# KiCad board Marble.kicad_pcb (continued)
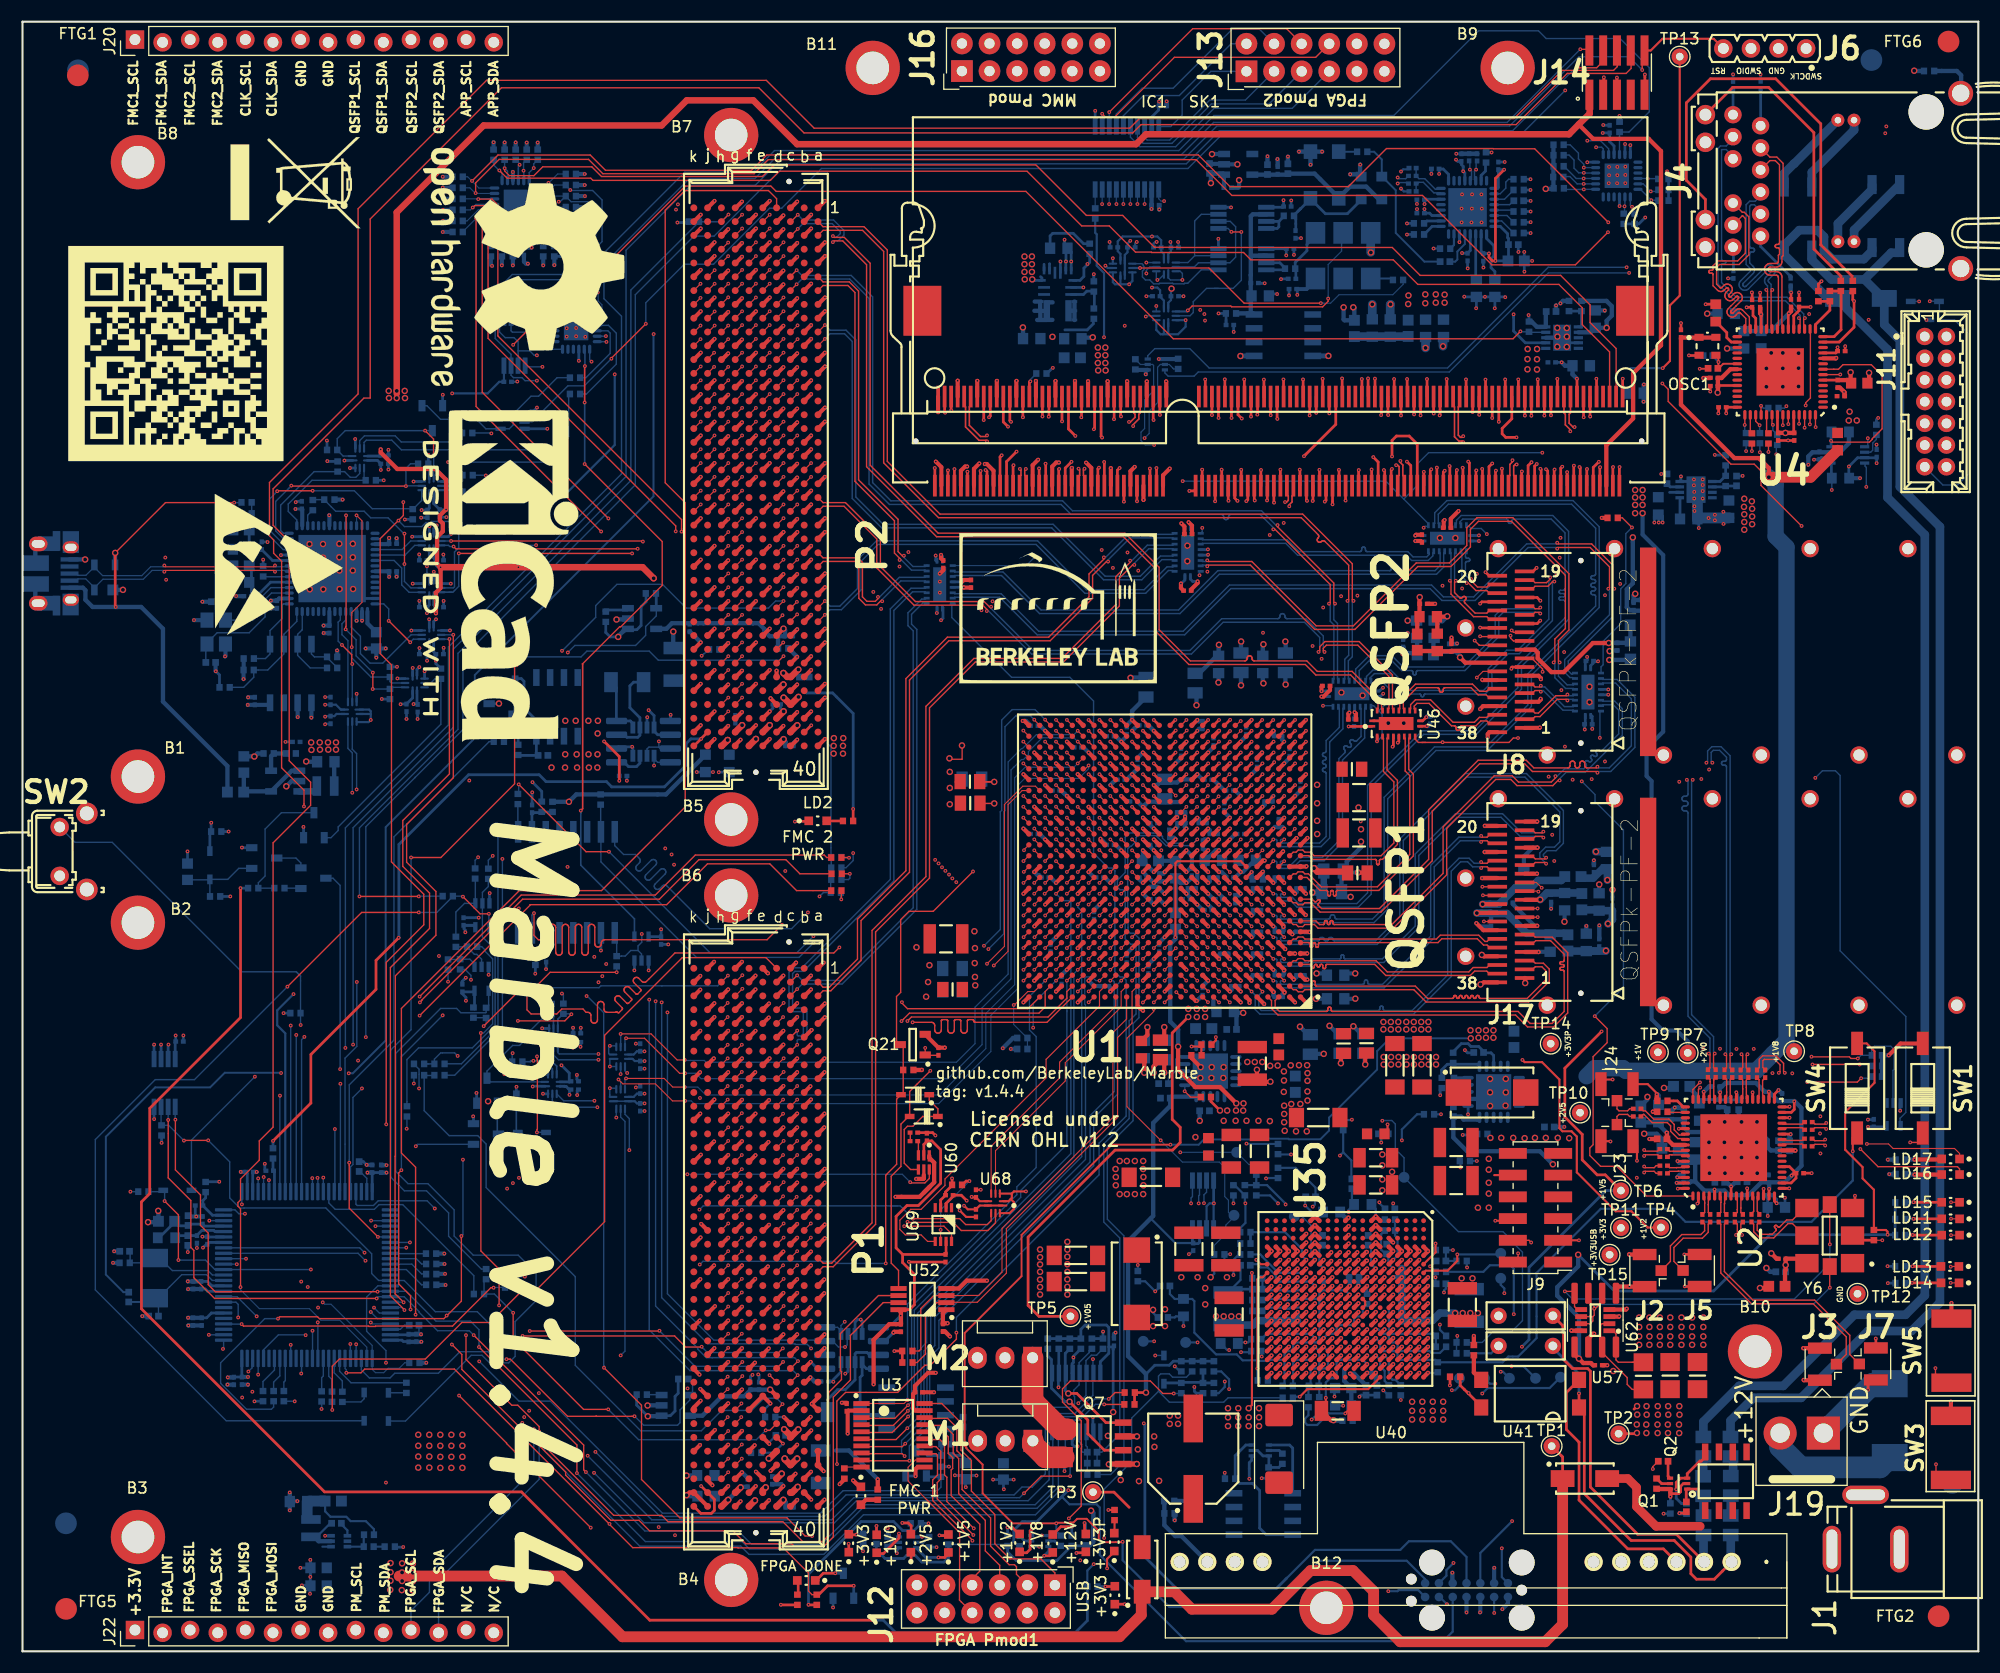
[diagram p0: board, top side]
## Routing (per net, layer and track width the routed paths; a pad name or vN(x,y) marks a point on that pad's centre or on a via; arc(x,y) is an arc through that point) (continued)
/QSFP1/QSFP_VccRx: length 5.5
  Top w0.4: v2(139.68,69.19) 139.66,69.17 138.27,69.17
  Bottom w0.7: L30.2 143.47,69.8 140.29,69.8 v2(139.68,69.19)
/QSFP1/QSFP_VccTx: length 9.9
  Top w0.4: v2(134.38,68.77) 134.39,68.77 135.76,68.77
  Bottom w0.7: 141.86,71.2 141.62,70.95 139.5,70.95 138.87,70.32 C408.1 137.43,70.32 135.88,68.77 v2(134.38,68.77)
/QSFP2/QSFP_RX_1_N: length 28.6
  Top w0.13: J8.18 138.97,98.6 139.21,98.37 140.26,98.37 140.6,98.7 v1(140.6,98.85)
  Bottom w0.13: v1(140.6,98.85) 140.6,98.61 140.47,98.49 140.47,95.01 137.62,92.15 136.61,92.15 134.91,90.46 134.91,88.88 134.47,88.45 127.8,88.45 125.92,90.33 124.29,90.33 123.69,89.73 123.69,89.5 123.61,89.41 123.61,89.24
/QSFP2/QSFP_RX_1_P: length 28.9
  Top w0.13: v1(140.98,98.47) 140.83,98.47 140.4,98.04 139.21,98.04 138.97,97.8 J8.17
  Bottom w0.13: v1(140.98,98.47) 140.83,98.47 140.8,98.44 140.8,94.87 137.76,91.82 136.74,91.82 135.24,90.32 135.24,88.75 134.61,88.12 129.09,88.12 129.07,88.11 129.04,88.1 129.02,88.09 129,88.07 128.98,88.05 128.97,88.02 128.97,87.96 128.96,87.94 128.94,87.91 128.92,87.89 128.9,87.88 128.87,87.87 128.84,87.87 128.83,87.87 128.81,87.87 128.78,87.88 128.76,87.89 128.74,87.91 128.72,87.94 128.71,87.96 128.71,88.02 128.7,88.05 128.68,88.07 128.66,88.09 128.64,88.1 128.61,88.11 128.58,88.12 127.67,88.12 125.79,90 124.42,90 124.03,89.6 124.03,89.5 124.11,89.41 124.11,89.24
/QSFP2/QSFP_RX_2_N: length 6.4
  Top w0.13: J8.21 135.01,98.2 134.78,97.97 133.9,97.97 133.31,98.56 v1(133.31,98.71)
  Bottom w0.13: v1(133.31,98.71) 133.16,98.71 132.8,99.07 132.8,100.17 132.81,100.2 132.82,100.23 132.84,100.26 132.86,100.28 132.89,100.3 132.92,100.31 132.95,100.32 133.06,100.32 133.09,100.32 133.12,100.33 133.15,100.35 133.17,100.37 133.19,100.4 133.2,100.43 133.21,100.47 133.2,100.5 133.19,100.53 133.17,100.56 133.15,100.58 133.12,100.6 133.09,100.61 133.06,100.62 132.95,100.62 132.92,100.62 132.89,100.63 132.86,100.65 132.84,100.67 132.82,100.7 132.81,100.73 132.8,100.77 132.8,101.1 132.89,101.18 132.89,101.35
/QSFP2/QSFP_RX_2_P: length 6.4
  Top w0.13: v1(132.92,98.32) 133.08,98.32 133.77,97.64 134.78,97.64 135.01,97.4 J8.22
  Bottom w0.13: 132.39,101.35 132.39,101.18 132.47,101.1 132.47,98.93 132.92,98.48 v1(132.92,98.32)
/QSFP2/QSFP_RX_3_N: length 24.1
  Top w0.13: v1(139.69,96.08) 139.58,95.97 139.21,95.97 138.97,96.2 J8.15
  Bottom w0.13: v1(139.69,96.08) 139.58,95.97 136.15,95.97 135.54,95.36 135.54,93.53 132.62,90.6 127.07,90.6 126.02,91.65 123.93,91.65 122.69,90.41 122.69,89.5 122.61,89.41 122.61,89.24
/QSFP2/QSFP_RX_3_P: length 24.1
  Top w0.13: v1(139.69,95.53) 139.58,95.64 139.21,95.64 138.97,95.4 J8.14
  Bottom w0.13: 123.11,89.24 123.11,89.41 123.03,89.5 123.03,90.27 124.07,91.32 125.89,91.32 126.93,90.27 127.82,90.27 127.86,90.27 127.89,90.26 127.92,90.24 127.94,90.22 127.96,90.19 127.97,90.16 127.97,90.12 127.97,90.02 127.98,89.99 127.99,89.96 128.01,89.93 128.03,89.9 128.06,89.89 128.09,89.88 128.12,89.87 128.16,89.88 128.19,89.89 128.22,89.9 128.24,89.93 128.26,89.96 128.27,89.99 128.27,90.02 128.27,90.12 128.28,90.16 128.29,90.19 128.31,90.22 128.33,90.24 128.36,90.26 128.39,90.27 128.42,90.27 132.76,90.27 135.87,93.39 135.87,95.22 136.29,95.64 139.58,95.64 v1(139.69,95.53)
/QSFP2/QSFP_RX_4_N: length 9.4
  Top w0.13: v1(131.91,98.54) 131.8,98.43 131.8,97.45 132.26,97 132.29,96.97 132.32,96.95 132.36,96.95 132.4,96.95 132.44,96.95 132.47,96.97 132.5,97 132.56,97.05 132.59,97.07 132.62,97.09 132.66,97.1 132.7,97.1 132.74,97.09 132.77,97.07 132.81,97.05 132.83,97.02 132.85,96.98 132.86,96.94 132.86,96.9 132.85,96.87 132.83,96.83 132.81,96.8 132.75,96.75 132.73,96.72 132.71,96.68 132.7,96.64 132.7,96.6 132.71,96.57 132.73,96.53 132.75,96.5 133.69,95.57 134.78,95.57 135.01,95.8 J8.24
  Bottom w0.13: 131.89,101.35 131.89,101.18 131.8,101.1 131.8,98.65 v1(131.91,98.54)
/QSFP2/QSFP_RX_4_P: length 9.4
  Top w0.13: v1(131.36,98.54) 131.47,98.43 131.47,97.31 133.55,95.24 134.78,95.24 135.01,95 J8.25
  Bottom w0.13: 131.39,101.35 131.39,101.18 131.47,101.1 131.47,98.65 v1(131.36,98.54)
/QSFP2/QSFP_TX_1_N: length 10
  Top w0.13: 128.17,86.5 128.17,86.67 128.09,86.76 128.09,87 128.34,87.26 129.45,87.26 131.52,85.19 131.77,85.19 131.81,85.18 131.85,85.17 131.88,85.15 131.91,85.12 131.93,85.09 131.94,85.05 131.94,85.01 131.94,84.94 131.95,84.9 131.96,84.86 131.98,84.83 132.01,84.8 132.04,84.78 132.08,84.76 132.12,84.76 132.16,84.76 132.2,84.78 132.23,84.8 132.26,84.83 132.28,84.86 132.29,84.9 132.29,84.94 132.29,85.01 132.3,85.05 132.31,85.09 132.33,85.12 132.36,85.15 132.39,85.17 132.43,85.18 132.47,85.19 133.77,85.19 134.22,85.64 134.78,85.64 135.01,85.4 J8.37
/QSFP2/QSFP_TX_1_P: length 10
  Top w0.13: 127.67,86.5 127.67,86.67 127.75,86.76 127.75,87.14 128.2,87.59 129.59,87.59 131.66,85.52 133.63,85.52 134.08,85.97 134.78,85.97 135.01,86.2 J8.36
/QSFP2/QSFP_TX_2_N: length 5.6
  Top w0.13: v1(142.19,87.52) 142.08,87.63 141.25,87.63 139.66,86.04 139.21,86.04 138.97,85.8 J8.2
  Bottom w0.13: 142.98,87.54 142.81,87.54 142.73,87.63 142.3,87.63 v1(142.19,87.52)
/QSFP2/QSFP_TX_2_P: length 5.6
  Top w0.13: J8.3 138.97,86.6 139.21,86.37 139.52,86.37 141.11,87.96 142.08,87.96 v1(142.19,88.07)
  Bottom w0.13: v1(142.19,88.07) 142.3,87.96 142.73,87.96 142.81,88.04 142.98,88.04
/QSFP2/QSFP_TX_3_N: length 11.1
  Top w0.13: 127.17,86.5 127.17,86.67 127.09,86.76 127.09,87.44 128.34,88.7 130.23,88.7 130.27,88.69 130.31,88.68 130.34,88.66 130.37,88.63 130.39,88.6 130.4,88.56 130.41,88.52 130.41,88.45 130.41,88.41 130.42,88.37 130.44,88.34 130.47,88.31 130.5,88.29 130.54,88.27 130.58,88.27 130.62,88.27 130.66,88.29 130.69,88.31 130.72,88.34 130.74,88.37 130.75,88.41 130.76,88.45 130.76,88.52 130.76,88.56 130.77,88.6 130.79,88.63 130.82,88.66 130.85,88.68 130.89,88.69 130.93,88.7 133.31,88.7 133.97,88.04 134.71,88.04 134.95,87.8 J8.34
/QSFP2/QSFP_TX_3_P: length 11.1
  Top w0.13: 126.67,86.5 126.67,86.67 126.75,86.76 126.75,87.58 128.2,89.03 133.45,89.03 134.11,88.37 134.74,88.37 134.97,88.6 J8.33
/QSFP2/QSFP_TX_4_N: length 5.7
  Top w0.13: J8.5 138.97,88.2 139.21,88.44 139.63,88.44 v1(139.74,88.33)
  Bottom w0.13: 142.98,86.54 142.81,86.54 142.73,86.63 141.78,86.63 139.97,88.44 139.85,88.44 v1(139.74,88.33)
/QSFP2/QSFP_TX_4_P: length 5.7
  Top w0.13: v1(139.74,88.88) 139.63,88.77 139.21,88.77 138.97,89 J8.6
  Bottom w0.13: 142.98,87.04 142.81,87.04 142.73,86.96 141.91,86.96 140.1,88.77 139.85,88.77 v1(139.74,88.88)
/QSFP2/QSFP_Vcc: length 7.8
  Top w0.4: v2(132.31,91.48) 132.79,91 J8.30
  Bottom w0.4: v2(132.31,91.48) 132.31,91.62 131.9,92.03 C301.1 130,92.03 129.86,91.89 129.86,93.21 129.86,93.22
/QSFP2/QSFP_VccRx: length 13.5
  Top w0.4: v2(145.99,92.81) 144.53,92.81 141.85,90.14 140.71,90.14 139.45,91.4 139.45,91.93 139.18,92.2 J8.10
  Bottom w0.4: v2(145.99,92.81) 146.01,92.83 C299.1 147.74,92.83 147.99,93.08 147.99,94.45 L1.2
/QSFP2/QSFP_VccTx: length 7.6
  Top w0.4: L2.2 128.44,92.07 C303.1 130.24,92.05 C300.1 131.55,92.08 133.85,92.08 134.13,91.8 ; 134.13,91.8 134.1,91.83 ; 134.13,91.8 J8.29
/SDRAM/DDR3_CAS_N: length 39
  Top w0.254: SK1.115 120.57,105.58 v1(120.57,105.58) ; 110.65,85.24 v1(111.15,85.74)
  In7.Cu w0.135: v1(111.15,85.74) 111.15,87.16 112.62,88.63 112.62,90.6 112.61,90.67 112.59,90.73 112.55,90.79 112.5,90.84 112.45,90.87 112.38,90.9 112.32,90.9 112.07,90.9 112,90.91 111.94,90.93 111.88,90.97 111.83,91.02 111.8,91.07 111.78,91.14 111.77,91.2 111.78,91.27 111.8,91.33 111.83,91.39 111.88,91.44 111.94,91.47 112,91.5 112.07,91.5 112.32,91.5 112.38,91.51 112.45,91.53 112.5,91.57 112.55,91.62 112.59,91.67 112.61,91.74 112.62,91.8 112.62,91.81 112.62,92.71 112.62,92.72 112.63,92.73 112.63,92.74 112.64,92.75 112.65,92.76 112.66,92.76 112.68,92.76 112.69,92.77 112.7,92.77 112.71,92.78 112.72,92.79 112.72,92.8 112.72,92.81 112.72,93.31 112.72,93.32 112.72,93.33 112.71,93.34 112.7,93.35 112.69,93.36 112.68,93.36 112.67,93.36 112.42,93.36 112.38,93.37 112.34,93.38 112.3,93.41 112.27,93.44 112.24,93.47 112.23,93.52 112.22,93.56 112.22,93.76 112.23,93.81 112.24,93.85 112.27,93.89 112.3,93.92 112.34,93.94 112.38,93.96 112.42,93.96 112.67,93.96 112.68,93.96 112.69,93.97 112.7,93.97 112.71,93.98 112.72,93.99 112.72,94 112.72,94.01 112.72,94.51 112.72,94.52 112.72,94.53 112.71,94.54 112.7,94.55 112.69,94.56 112.68,94.56 112.67,94.56 112.07,94.56 112.01,94.57 111.94,94.59 111.89,94.63 111.84,94.67 111.8,94.73 111.78,94.8 111.77,94.86 111.78,94.93 111.8,94.99 111.84,95.05 111.89,95.1 111.94,95.13 112.01,95.15 112.07,95.16 112.67,95.16 112.68,95.16 112.69,95.17 112.7,95.17 112.71,95.18 112.72,95.19 112.72,95.2 112.72,95.21 112.72,95.71 112.72,95.72 112.72,95.73 112.71,95.74 112.7,95.75 112.69,95.76 112.68,95.76 112.67,95.76 112.07,95.76 112.01,95.77 111.94,95.79 111.89,95.83 111.84,95.87 111.8,95.93 111.78,96 111.77,96.06 111.78,96.13 111.8,96.19 111.84,96.25 111.89,96.3 111.94,96.33 112.01,96.35 112.07,96.36 112.32,96.36 112.39,96.37 112.45,96.39 112.51,96.43 112.56,96.47 112.59,96.53 112.61,96.6 112.62,96.66 112.62,96.99 117.46,101.83 117.46,107.5 119.22,109.26 120.04,109.26 120.57,108.73 v1(120.57,105.58)
/SDRAM/DDR3_CK_N: length 38.5
  Top w0.13: U1.AF12 v1(107.12,85.73)
  Top w0.15: SK1.103 116.97,106.47 116.84,106.34 116.84,105.79 116.59,105.54 v1(116.59,105.4)
  In4.Cu w0.1: v1(107.12,85.73) 107.12,85.46 107.07,85.41 106.86,85.41 106.76,85.51 106.76,93.3 109.22,95.76 109.23,95.77 109.24,95.77 109.25,95.77 109.25,95.76 109.37,95.65 109.42,95.61 109.48,95.58 109.55,95.56 109.61,95.56 109.68,95.58 109.74,95.61 109.79,95.65 110,95.86 110.04,95.91 110.07,95.97 110.08,96.03 110.08,96.1 110.07,96.16 110.04,96.22 110,96.28 109.52,96.75 109.52,96.76 109.51,96.77 109.51,96.78 109.51,96.79 109.51,96.8 109.52,96.81 109.52,96.82 109.67,96.97 109.68,96.98 109.69,96.98 109.7,96.98 109.71,96.98 109.73,96.98 109.74,96.98 109.74,96.97 110.22,96.5 110.27,96.45 110.33,96.43 110.39,96.41 110.46,96.41 110.53,96.43 110.59,96.45 110.64,96.5 110.85,96.71 110.89,96.76 110.92,96.82 110.93,96.88 110.93,96.95 110.92,97.01 110.89,97.07 110.85,97.13 110.37,97.6 110.37,97.61 110.36,97.62 110.36,97.63 110.36,97.64 110.36,97.65 110.37,97.66 110.37,97.67 110.52,97.82 110.53,97.83 110.54,97.83 110.55,97.83 110.56,97.83 110.57,97.83 110.58,97.83 110.59,97.82 111.07,97.34 111.12,97.3 111.18,97.27 111.24,97.26 111.31,97.26 111.37,97.27 111.43,97.3 111.49,97.34 111.7,97.55 111.74,97.61 111.77,97.67 111.78,97.73 111.78,97.8 111.77,97.86 111.74,97.92 111.7,97.97 111.22,98.45 111.21,98.46 111.21,98.47 111.21,98.48 111.21,98.49 111.21,98.5 111.21,98.51 111.22,98.52 111.37,98.67 111.38,98.67 111.39,98.68 111.4,98.68 111.41,98.68 111.42,98.68 111.43,98.67 111.44,98.67 111.92,98.19 111.97,98.15 112.03,98.12 112.09,98.11 112.16,98.11 112.22,98.12 112.28,98.15 112.33,98.19 112.55,98.4 112.59,98.46 112.62,98.51 112.63,98.58 112.63,98.65 112.62,98.71 112.59,98.77 112.55,98.82 112.31,99.06 112.31,99.06 112.07,99.3 112.07,99.31 112.06,99.32 112.06,99.33 112.06,99.34 112.06,99.35 112.07,99.36 112.07,99.37 112.22,99.52 112.23,99.53 112.24,99.53 112.25,99.53 112.26,99.53 112.27,99.53 112.28,99.53 112.29,99.52 112.41,99.4 112.47,99.36 112.53,99.33 112.6,99.31 112.67,99.31 112.74,99.33 112.81,99.36 112.86,99.4 113.3,99.84 113.3,100.95 113.29,101.03 113.27,101.1 113.23,101.16 113.18,101.21 113.12,101.25 113.05,101.27 112.97,101.28 112.81,101.28 112.8,101.28 112.79,101.29 112.77,101.29 112.77,101.3 112.76,101.31 112.76,101.32 112.75,101.33 112.75,101.53 112.76,101.55 112.76,101.56 112.77,101.57 112.77,101.58 112.79,101.58 112.8,101.59 112.81,101.59 113.97,101.59 114.07,101.6 114.16,101.63 114.24,101.68 114.3,101.75 114.35,101.83 114.38,101.92 114.39,102.01 114.39,102.06 114.38,102.15 114.35,102.24 114.3,102.32 114.24,102.39 114.16,102.44 114.07,102.47 113.97,102.48 112.81,102.48 112.8,102.48 112.79,102.49 112.77,102.49 112.77,102.5 112.76,102.51 112.76,102.52 112.75,102.53 112.75,102.73 112.76,102.75 112.76,102.76 112.77,102.77 112.77,102.78 112.79,102.78 112.8,102.79 112.81,102.79 112.97,102.79 113.05,102.8 113.12,102.82 113.18,102.86 113.23,102.91 113.27,102.97 113.29,103.04 113.3,103.11 113.3,103.24 114.94,104.89 115.89,104.89 116.4,105.4 v1(116.59,105.4)
/SDRAM/DDR3_CK_P: length 39
  Top w0.11: 107.12,84.73 v1(107.15,84.76)
  Top w0.13: U1.AE12 107.12,84.73
  Top w0.15: SK1.101 116.37,106.47 116.49,106.34 116.49,105.94 116.34,105.79 v1(116.2,105.79)
  In4.Cu w0.1: v1(116.2,105.79) 116.2,105.6 115.77,105.18 114.82,105.18 113.01,103.37 113.01,103.13 113.01,103.12 113,103.11 113,103.1 112.99,103.09 112.98,103.09 112.97,103.08 112.95,103.08 112.79,103.08 112.72,103.07 112.65,103.05 112.59,103.01 112.54,102.96 112.5,102.9 112.47,102.83 112.46,102.75 112.46,102.51 112.47,102.44 112.5,102.37 112.54,102.31 112.59,102.26 112.65,102.22 112.72,102.2 112.79,102.19 113.95,102.19 113.98,102.19 114.02,102.17 114.05,102.16 114.07,102.13 114.09,102.1 114.1,102.07 114.1,102.03 114.1,102 114.09,101.97 114.07,101.94 114.05,101.91 114.02,101.89 113.98,101.88 113.95,101.88 112.79,101.88 112.72,101.87 112.65,101.85 112.59,101.81 112.54,101.76 112.5,101.7 112.47,101.63 112.46,101.55 112.46,101.31 112.47,101.24 112.5,101.17 112.54,101.11 112.59,101.06 112.65,101.02 112.72,101 112.79,100.99 112.95,100.99 112.97,100.99 112.98,100.98 112.99,100.98 113,100.97 113,100.96 113.01,100.95 113.01,100.93 113.01,99.96 112.67,99.62 112.66,99.62 112.65,99.61 112.64,99.61 112.63,99.61 112.62,99.61 112.61,99.62 112.6,99.62 112.48,99.74 112.43,99.78 112.36,99.81 112.29,99.83 112.22,99.83 112.15,99.81 112.09,99.78 112.03,99.74 111.86,99.56 111.81,99.51 111.78,99.44 111.76,99.37 111.76,99.3 111.78,99.23 111.81,99.17 111.86,99.11 112.11,98.86 112.1,98.85 112.33,98.63 112.33,98.62 112.33,98.61 112.33,98.6 112.33,98.6 112.14,98.41 112.13,98.4 112.12,98.4 112.11,98.41 112.11,98.41 111.63,98.89 111.58,98.93 111.51,98.96 111.44,98.98 111.37,98.98 111.3,98.96 111.24,98.93 111.18,98.89 111,98.71 110.96,98.65 110.93,98.59 110.91,98.52 110.91,98.45 110.93,98.38 110.96,98.31 111,98.26 111.48,97.78 111.48,97.77 111.49,97.76 111.48,97.75 111.48,97.75 111.29,97.56 111.28,97.56 111.27,97.56 111.26,97.56 111.26,97.56 110.78,98.04 110.73,98.08 110.66,98.11 110.59,98.13 110.52,98.13 110.45,98.11 110.39,98.08 110.33,98.04 110.15,97.86 110.11,97.8 110.08,97.74 110.06,97.67 110.06,97.6 110.08,97.53 110.11,97.46 110.15,97.41 110.63,96.93 110.64,96.92 110.64,96.91 110.63,96.9 110.63,96.9 110.45,96.71 110.44,96.71 110.43,96.71 110.42,96.71 110.41,96.71 109.93,97.19 109.88,97.23 109.81,97.27 109.74,97.28 109.67,97.28 109.6,97.27 109.54,97.23 109.48,97.19 109.31,97.01 109.26,96.96 109.23,96.89 109.21,96.82 109.21,96.75 109.23,96.68 109.26,96.62 109.31,96.56 109.78,96.08 109.79,96.08 109.79,96.06 109.79,96.05 109.78,96.05 109.6,95.87 109.59,95.86 109.58,95.86 109.57,95.86 109.56,95.87 109.45,95.98 109.4,96.02 109.34,96.05 109.27,96.07 109.2,96.07 109.14,96.05 109.08,96.02 109.03,95.98 106.47,93.42 106.47,85.39 106.74,85.12 107.1,85.12 107.15,85.07 v1(107.15,84.76)
/SDRAM/DDR3_CKE: length 39
  Top w0.254: U1.AA13 v1(106.12,80.73) ; v1(107.39,106.81) 107.83,106.81 107.97,106.95 SK1.73
  In2.Cu w0.135: v1(106.12,80.73) 105.66,81.19 105.66,106.07 105.67,106.14 105.69,106.2 105.73,106.26 105.77,106.31 105.83,106.34 105.89,106.37 105.96,106.37 106.29,106.37 106.35,106.38 106.42,106.4 106.47,106.44 106.52,106.49 106.56,106.54 106.58,106.61 106.59,106.67 106.58,106.74 106.56,106.8 106.52,106.86 106.47,106.91 106.42,106.94 106.35,106.97 106.29,106.97 105.66,106.97 105.66,106.99 105.57,106.99 105.55,106.99 105.54,107 105.52,107.01 105.51,107.02 105.5,107.04 105.49,107.05 105.49,107.07 105.49,107.5 105.49,107.52 105.5,107.54 105.51,107.55 105.52,107.57 105.54,107.58 105.55,107.58 105.59,107.59 105.61,107.6 105.63,107.61 105.64,107.62 105.65,107.64 105.66,107.65 105.66,107.67 106.83,108.84 106.83,110.44 107.06,110.67 107.77,110.67 108,110.44 108,107.42 v1(107.39,106.81)
/SDRAM/DDR3_CS_N: length 39
  Top w0.254: v1(120.28,113.95) 120.27,113.96 SK1.114 ; 111.62,82.23 v1(112.12,82.73)
  In2.Cu w0.135: v1(120.28,113.95) 120.28,113.01 120.34,112.94 120.34,112.39 120.34,112.35 120.33,112.32 120.31,112.29 120.28,112.27 120.26,112.25 120.22,112.24 120.16,112.23 120.12,112.22 120.09,112.2 120.07,112.18 120.05,112.15 120.04,112.11 120.04,112.08 120.04,111.79 120.04,111.75 120.05,111.72 120.07,111.69 120.09,111.67 120.12,111.65 120.16,111.64 120.19,111.63 120.34,111.63 120.34,111.61 120.95,111.61 121.01,111.6 121.08,111.58 121.13,111.55 121.18,111.5 121.22,111.44 121.24,111.38 121.25,111.31 121.24,111.24 121.22,111.18 121.18,111.12 121.13,111.08 121.08,111.04 121.01,111.02 120.95,111.01 120.64,111.01 120.58,111 120.51,110.98 120.46,110.95 120.41,110.9 120.37,110.84 120.35,110.78 120.34,110.71 120.34,106.14 120.2,106 120.2,101.97 113.37,95.14 113.37,88.9 111.78,87.31 111.78,83.08 v1(112.12,82.73)
/SDRAM/DDR3_DQS0_N: length 46.7
  Top w0.13: U1.AF18 v1(100.12,85.73)
  Top w0.15: v1(88.77,111.37) 88.67,111.47 88.02,111.47 86.79,112.71 86.79,114.54 86.67,114.67 SK1.10
  In7.Cu w0.1: v1(100.12,85.73) 100.12,87.02 100.12,87.04 100.13,87.05 100.14,87.07 100.15,87.08 100.17,87.09 100.18,87.1 100.2,87.1 100.37,87.1 100.44,87.11 100.52,87.13 100.58,87.18 100.64,87.23 100.68,87.3 100.71,87.37 100.72,87.45 100.72,87.69 100.71,87.77 100.68,87.84 100.64,87.91 100.58,87.96 100.52,88.01 100.44,88.03 100.37,88.04 99.68,88.04 99.67,88.04 99.67,88.39 99.68,88.4 100.37,88.4 100.44,88.41 100.52,88.43 100.58,88.48 100.64,88.53 100.68,88.6 100.71,88.67 100.72,88.75 100.72,88.99 100.71,89.07 100.68,89.14 100.64,89.21 100.58,89.26 100.52,89.31 100.44,89.33 100.37,89.34 99.68,89.34 99.67,89.34 99.67,89.69 99.68,89.7 100.37,89.7 100.44,89.71 100.52,89.73 100.58,89.78 100.64,89.83 100.68,89.9 100.71,89.97 100.72,90.05 100.72,90.29 100.71,90.37 100.68,90.44 100.64,90.51 100.58,90.56 100.52,90.61 100.44,90.63 100.37,90.64 99.68,90.64 99.67,90.64 99.67,90.99 99.68,91 100.37,91 100.44,91.01 100.52,91.03 100.58,91.08 100.64,91.13 100.68,91.2 100.71,91.27 100.72,91.35 100.72,91.59 100.71,91.67 100.68,91.74 100.64,91.81 100.58,91.86 100.52,91.91 100.44,91.93 100.37,91.94 99.68,91.94 99.67,91.94 99.67,92.29 99.68,92.3 99.84,92.3 99.9,92.31 99.96,92.33 100.02,92.36 100.06,92.4 100.09,92.46 100.11,92.52 100.12,92.58 100.12,93.49 100.12,93.51 100.13,93.54 100.15,93.57 100.17,93.58 100.19,93.6 100.22,93.61 100.25,93.61 100.41,93.61 100.44,93.62 100.47,93.62 100.49,93.64 100.51,93.66 100.53,93.68 100.53,93.71 100.54,93.74 100.53,93.76 100.53,93.79 100.51,93.82 100.49,93.83 100.47,93.85 100.44,93.86 100.41,93.86 100.25,93.86 100.22,93.87 100.19,93.87 100.17,93.89 100.15,93.91 100.13,93.93 100.12,93.96 100.12,93.99 100.12,94.01 100.13,94.04 100.15,94.07 100.17,94.08 100.19,94.1 100.22,94.11 100.25,94.11 100.31,94.11 100.34,94.12 100.37,94.12 100.39,94.14 100.41,94.16 100.43,94.18 100.43,94.21 100.44,94.24 100.43,94.26 100.43,94.29 100.41,94.32 100.39,94.33 100.37,94.35 100.34,94.36 100.31,94.36 100.25,94.36 100.22,94.37 100.19,94.37 100.17,94.39 100.15,94.41 100.13,94.43 100.12,94.46 100.12,94.49 100.12,94.87 86.51,108.47 86.51,109.65 88.37,111.5 88.64,111.5 v1(88.77,111.37)
/SDRAM/DDR3_DQS0_P: length 46.7
  Top w0.13: U1.AE18 v1(100.12,84.73)
  Top w0.15: v1(88.77,111.92) 88.67,111.82 88.17,111.82 87.14,112.85 87.14,114.54 87.27,114.67 SK1.12
  In7.Cu w0.1: v1(88.77,111.92) 88.64,111.79 88.25,111.79 86.22,109.77 86.22,108.35 99.83,94.75 99.83,92.59 99.83,92.59 99.66,92.59 99.6,92.58 99.54,92.56 99.49,92.53 99.45,92.48 99.41,92.43 99.39,92.37 99.38,92.31 99.38,91.93 99.39,91.87 99.41,91.81 99.45,91.75 99.49,91.71 99.54,91.68 99.6,91.66 99.66,91.65 100.34,91.65 100.36,91.65 100.38,91.64 100.39,91.63 100.41,91.62 100.42,91.6 100.42,91.59 100.42,91.57 100.42,91.37 100.42,91.35 100.42,91.33 100.41,91.32 100.39,91.31 100.38,91.3 100.36,91.29 100.34,91.29 99.66,91.29 99.6,91.28 99.54,91.26 99.49,91.23 99.45,91.18 99.41,91.13 99.39,91.07 99.38,91.01 99.38,90.63 99.39,90.57 99.41,90.51 99.45,90.45 99.49,90.41 99.54,90.38 99.6,90.36 99.66,90.35 100.34,90.35 100.36,90.35 100.38,90.34 100.39,90.33 100.41,90.32 100.42,90.3 100.42,90.29 100.42,90.27 100.42,90.07 100.42,90.05 100.42,90.03 100.41,90.02 100.39,90.01 100.38,90 100.36,89.99 100.34,89.99 99.66,89.99 99.6,89.98 99.54,89.96 99.49,89.93 99.45,89.88 99.41,89.83 99.39,89.77 99.38,89.71 99.38,89.33 99.39,89.27 99.41,89.21 99.45,89.15 99.49,89.11 99.54,89.08 99.6,89.06 99.66,89.05 100.34,89.05 100.36,89.05 100.38,89.04 100.39,89.03 100.41,89.02 100.42,89 100.42,88.99 100.42,88.97 100.42,88.77 100.42,88.75 100.42,88.73 100.41,88.72 100.39,88.71 100.38,88.7 100.36,88.69 100.34,88.69 99.66,88.69 99.6,88.68 99.54,88.66 99.49,88.63 99.45,88.58 99.41,88.53 99.39,88.47 99.38,88.41 99.38,88.03 99.39,87.97 99.41,87.91 99.45,87.85 99.49,87.81 99.54,87.78 99.6,87.76 99.66,87.75 100.34,87.75 100.36,87.75 100.38,87.74 100.39,87.73 100.41,87.72 100.42,87.7 100.42,87.69 100.42,87.67 100.42,87.47 100.42,87.45 100.42,87.43 100.41,87.42 100.39,87.41 100.38,87.4 100.36,87.39 100.34,87.39 100.18,87.39 100.1,87.38 100.03,87.36 99.96,87.31 99.91,87.26 99.86,87.19 99.84,87.12 99.83,87.04 99.83,85.92 99.79,85.89 99.79,85.57 99.83,85.54 99.83,85.02 v1(100.12,84.73)
/SDRAM/DDR3_DQS1_N: length 44.3
  Top w0.11: U1.W19 v1(99.12,78.73)
  Top w0.15: v1(91.79,108.83) 91.89,108.73 91.89,108.24 91.77,108.12 SK1.27
  In9.Cu w0.1: v1(91.79,108.83) 91.92,108.7 91.92,107.76 91.92,107.74 91.92,107.73 91.91,107.72 91.89,107.7 91.88,107.69 91.86,107.69 91.85,107.69 91.68,107.69 91.61,107.68 91.53,107.65 91.47,107.61 91.41,107.56 91.37,107.49 91.35,107.42 91.34,107.34 91.34,107.14 91.35,107.06 91.37,106.99 91.41,106.93 91.47,106.87 91.53,106.83 91.61,106.81 91.68,106.8 92.07,106.8 92.07,106.79 92.85,106.79 92.89,106.79 92.92,106.78 92.95,106.76 92.97,106.73 92.99,106.7 93,106.67 93.01,106.64 93,106.6 92.99,106.57 92.97,106.54 92.95,106.52 92.92,106.5 92.89,106.49 92.85,106.48 91.68,106.48 91.61,106.47 91.53,106.45 91.47,106.41 91.41,106.35 91.37,106.29 91.35,106.21 91.34,106.14 91.34,105.94 91.35,105.86 91.37,105.79 91.41,105.72 91.47,105.67 91.53,105.63 91.61,105.6 91.68,105.59 92.85,105.59 92.89,105.59 92.92,105.58 92.95,105.56 92.97,105.53 92.99,105.5 93,105.47 93.01,105.44 93,105.4 92.99,105.37 92.97,105.34 92.95,105.32 92.92,105.3 92.89,105.29 92.85,105.28 91.68,105.28 91.61,105.27 91.53,105.25 91.47,105.21 91.41,105.15 91.37,105.09 91.35,105.01 91.34,104.94 91.34,104.74 91.35,104.66 91.37,104.59 91.41,104.52 91.47,104.47 91.53,104.43 91.61,104.4 91.68,104.39 92.85,104.39 92.89,104.39 92.92,104.38 92.95,104.36 92.97,104.33 92.99,104.3 93,104.27 93.01,104.24 93,104.2 92.99,104.17 92.97,104.14 92.95,104.12 92.92,104.1 92.89,104.09 92.85,104.08 92.34,104.08 92.25,104.07 92.16,104.04 92.08,103.99 92.01,103.92 91.96,103.84 91.93,103.76 91.92,103.66 91.92,97.62 99.47,90.07 99.47,79.09 v1(99.12,78.73)
/SDRAM/DDR3_DQS1_P: length 44.3
  Top w0.11: U1.W18 v1(100.12,78.73)
  Top w0.15: SK1.29 92.37,108.12 92.24,108.24 92.24,108.73 v1(92.34,108.83)
  In9.Cu w0.1: v1(92.34,108.83) 92.21,108.7 92.21,107.74 92.2,107.66 92.18,107.59 92.14,107.53 92.08,107.47 92.02,107.43 91.95,107.41 91.87,107.4 91.7,107.4 91.69,107.4 91.67,107.39 91.66,107.38 91.65,107.37 91.64,107.35 91.63,107.34 91.63,107.32 91.63,107.16 91.63,107.14 91.64,107.13 91.65,107.12 91.66,107.1 91.67,107.09 91.69,107.09 91.7,107.09 92.07,107.09 92.07,107.08 92.88,107.08 92.97,107.07 93.06,107.04 93.14,106.99 93.21,106.92 93.26,106.84 93.29,106.76 93.3,106.66 93.3,106.61 93.29,106.52 93.26,106.43 93.21,106.35 93.14,106.28 93.06,106.23 92.97,106.2 92.88,106.19 91.7,106.19 91.69,106.19 91.67,106.18 91.66,106.18 91.65,106.16 91.64,106.15 91.63,106.13 91.63,106.12 91.63,105.96 91.63,105.94 91.64,105.92 91.65,105.91 91.66,105.9 91.67,105.89 91.69,105.88 91.7,105.88 92.88,105.88 92.97,105.87 93.06,105.84 93.14,105.79 93.21,105.72 93.26,105.64 93.29,105.56 93.3,105.46 93.3,105.41 93.29,105.32 93.26,105.23 93.21,105.15 93.14,105.08 93.06,105.03 92.97,105 92.88,104.99 91.7,104.99 91.69,104.99 91.67,104.98 91.66,104.98 91.65,104.96 91.64,104.95 91.63,104.93 91.63,104.92 91.63,104.76 91.63,104.74 91.64,104.72 91.65,104.71 91.66,104.7 91.67,104.69 91.69,104.68 91.7,104.68 92.88,104.68 92.97,104.67 93.06,104.64 93.14,104.59 93.21,104.52 93.26,104.44 93.29,104.36 93.3,104.26 93.3,104.21 93.29,104.12 93.26,104.03 93.21,103.95 93.14,103.88 93.06,103.83 92.97,103.8 92.88,103.79 92.37,103.79 92.33,103.79 92.3,103.78 92.27,103.76 92.25,103.73 92.23,103.7 92.22,103.67 92.21,103.64 92.21,97.74 99.76,90.19 99.76,79.09 v1(100.12,78.73)
/SDRAM/DDR3_DQS2_N: length 38.4
  Top w0.13: U1.AE20 v1(98.12,84.73)
  Top w0.15: SK1.45 97.17,108.12 97.29,108.24 97.29,108.75 v1(97.19,108.85)
  In4.Cu w0.1: v1(98.12,84.73) 98.12,85.19 98.48,85.55 98.48,86.42 98.48,86.46 98.46,86.5 98.44,86.53 98.42,86.56 98.38,86.58 98.35,86.59 98.27,86.6 98.24,86.61 98.2,86.63 98.18,86.66 98.16,86.69 98.14,86.73 98.14,86.76 98.14,86.77 98.14,86.81 98.16,86.85 98.18,86.88 98.2,86.91 98.24,86.93 98.27,86.94 98.35,86.95 98.38,86.96 98.42,86.98 98.44,87.01 98.46,87.04 98.48,87.08 98.48,87.11 98.48,87.12 98.48,87.16 98.46,87.2 98.44,87.23 98.42,87.26 98.38,87.28 98.35,87.29 98.27,87.3 98.24,87.31 98.2,87.33 98.18,87.36 98.16,87.39 98.14,87.43 98.14,87.46 98.14,87.47 98.14,87.51 98.16,87.55 98.18,87.58 98.2,87.61 98.24,87.63 98.27,87.64 98.35,87.65 98.38,87.66 98.42,87.68 98.44,87.71 98.46,87.74 98.48,87.78 98.48,87.81 98.48,87.82 98.48,87.86 98.46,87.9 98.44,87.93 98.42,87.96 98.38,87.98 98.35,87.99 98.27,88 98.24,88.01 98.2,88.03 98.18,88.06 98.16,88.09 98.14,88.13 98.14,88.16 98.14,88.17 98.14,88.21 98.16,88.25 98.18,88.28 98.2,88.31 98.24,88.33 98.27,88.34 98.35,88.35 98.38,88.36 98.42,88.38 98.44,88.41 98.46,88.44 98.48,88.48 98.48,88.51 98.48,94.13 96.75,95.85 96.75,96.37 96.76,96.46 96.79,96.55 96.84,96.63 96.91,96.69 96.99,96.74 97.08,96.77 97.17,96.79 97.69,96.79 97.73,96.79 97.76,96.8 97.79,96.82 97.81,96.84 97.83,96.87 97.84,96.91 97.85,96.94 97.84,96.97 97.83,97.01 97.81,97.04 97.79,97.06 97.76,97.08 97.73,97.09 97.69,97.1 96.08,97.1 95.98,97.11 95.9,97.14 95.82,97.19 95.75,97.25 95.7,97.33 95.67,97.42 95.66,97.51 95.66,97.57 95.67,97.66 95.7,97.75 95.75,97.83 95.82,97.89 95.9,97.94 95.98,97.97 96.08,97.99 97.39,97.99 97.43,97.99 97.46,98 97.49,98.02 97.51,98.04 97.53,98.07 97.54,98.11 97.55,98.14 97.54,98.17 97.53,98.21 97.51,98.24 97.49,98.26 97.46,98.28 97.43,98.29 97.39,98.3 96.08,98.3 95.98,98.31 95.9,98.34 95.82,98.39 95.75,98.45 95.7,98.53 95.67,98.62 95.66,98.71 95.66,98.77 95.67,98.86 95.7,98.95 95.75,99.03 95.82,99.09 95.9,99.14 95.98,99.17 96.08,99.19 97.19,99.19 97.2,99.19 97.2,99.49 97.19,99.49 96.08,99.5 95.98,99.51 95.9,99.54 95.82,99.59 95.75,99.65 95.7,99.73 95.67,99.82 95.66,99.91 95.66,99.97 95.67,100.06 95.7,100.15 95.75,100.23 95.82,100.29 95.9,100.34 95.98,100.37 96.08,100.39 96.6,100.39 96.63,100.39 96.67,100.4 96.69,100.42 96.72,100.44 96.74,100.47 96.75,100.51 96.75,100.54 96.75,104.99 97.32,105.56 97.32,108.72 v1(97.19,108.85)